# Altium PCB Main_PCB.PcbDoc (part 1 of 2) (continued)
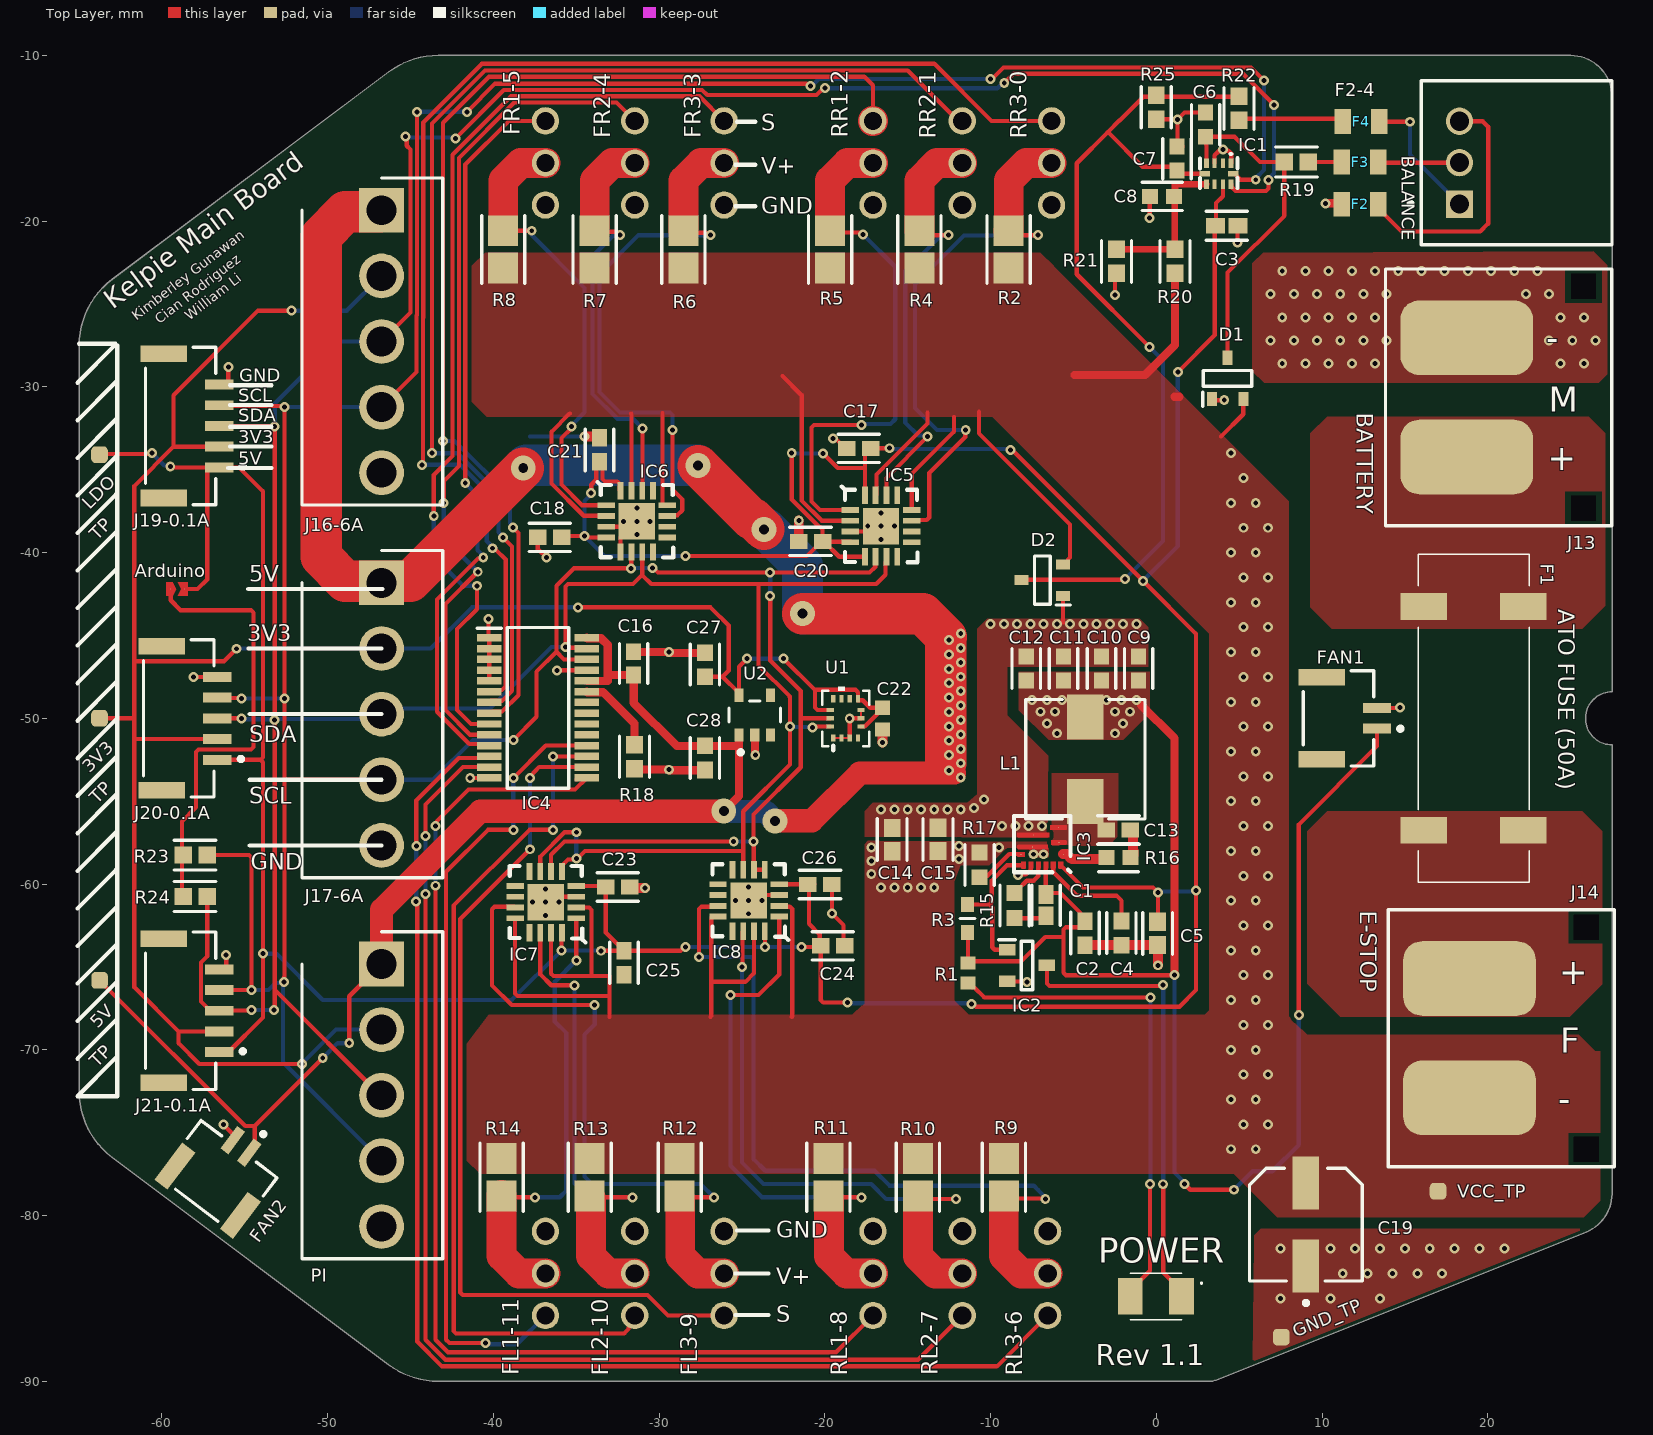
[diagram p0: Top Layer view]
## Footprints (in the part's own frame and the unit in brackets; to place one, negate y for a bottom-side part, rotate by r counter-clockwise, add the part's x,y. Pads: shape width x height; smd on the part's side, far side on the other; paste and mask are expansions set on the pad) (continued)
  Top Layer region: -16.73,-15.94 -16.73,-26.97 57.68,-26.97 59.25,-25.39 59.25,-17.52 57.68,-15.94
  Top Layer region: -49.61,41.54 -38.58,41.54 -38.58,57.68 -40.16,59.25 -48.03,59.25 -49.61,57.68
  Top Layer region: -31.89,41.54 -20.87,41.54 -20.87,57.68 -22.44,59.25 -30.31,59.25 -31.89,57.68
  Top Layer region: -14.17,41.54 -3.15,41.54 -3.15,57.68 -4.72,59.25 -12.6,59.25 -14.17,57.68
  Top Layer region: 3.54,41.54 14.57,41.54 14.57,57.68 12.99,59.25 5.12,59.25 3.54,57.68
  Top Layer region: 21.26,41.54 32.28,41.54 32.28,57.68 30.71,59.25 22.83,59.25 21.26,57.68
  Top Layer region: 38.98,41.54 50,41.54 50,57.68 48.43,59.25 40.55,59.25 38.98,57.68
  Top Layer region: 41.54,30.12 41.54,19.09 57.68,19.09 59.25,20.67 59.25,28.54 57.68,30.12
  Top Layer region: -49.49,30.12 -41.14,21.77 -41.14,19.09 -58.86,19.09 -58.86,30.12
  Top Layer region: -19.49,-44.69 -19.49,-33.66 -57.28,-33.66 -58.86,-35.24 -58.86,-43.11 -57.28,-44.69
  Top Layer region: -55.91,1.77 -58.66,-0.98 -58.66,-6.5 -55.91,-9.25 -21.26,-9.25 -21.26,1.77
  silkscreen extent -880,-1525 67,67, body extent -59,-59 59,59, height 20
SHDR5W114P0X396_1X5_1974X850X1090P [mm]
  rect 2.7x2.7 hole 1.8: 1(0,0)
  round 2.7 hole 1.8: 2(3.96,0) 3(7.92,0) 4(11.88,0) 5(15.84,0)
  silkscreen extent -1.95,-4.8 17.79,3.7, body extent -1.95,-4.25 17.79,4.25, height 10.9
"SOLDER JUMPER" [mm]
  round 0.025 smd mask+0: 1(-0.4,0.25) 2(-0.4,1.1)
  Top Layer region: 0,1.3 0,0.7 -0.4,0.9 -0.8,0.7 -0.8,1.3
  Top Layer region: 0,0.4 -0.4,0.6 -0.8,0.4 -0.8,0 0,0
SOP65P640X110-28N [mm]
  rect 1.475x0.45 smd: 1(-2.938,4.225) 2(-2.938,3.575) 3(-2.938,2.925) 4(-2.938,2.275) 5(-2.938,1.625) 6(-2.938,0.975) 7(-2.938,0.325) 8(-2.938,-0.325) 9(-2.938,-0.975) 10(-2.938,-1.625) 11(-2.938,-2.275) 12(-2.938,-2.925) 13(-2.938,-3.575) 14(-2.938,-4.225) 15(2.938,-4.225) 16(2.938,-3.575) 17(2.938,-2.925) 18(2.938,-2.275) 19(2.938,-1.625) 20(2.938,-0.975) 21(2.938,-0.325) 22(2.938,0.325) 23(2.938,0.975) 24(2.938,1.625) 25(2.938,2.275) 26(2.938,2.925) 27(2.938,3.575) 28(2.938,4.225)
  silkscreen extent -3.67,-4.85 1.85,4.85, body extent -3.2,-4.85 3.2,4.85, height 1.1
SOT95P240X110-3N [mm]
  rect 0.85x0.6 smd: 1(-1.25,0.95) 2(-1.25,-0.95) 3(1.25,0)
  silkscreen extent -1.68,-1.46 0.48,1.5, body extent -1.2,-1.46 1.2,1.46, height 1.1
SOT95P240X120-3N [mm]
  rect 1x0.7 smd: 1(-1.2,0.95) 2(-1.2,-0.95) 3(1.2,0)
  silkscreen extent -1.7,-1.46 0.35,1.55, body extent -1.2,-1.46 1.2,1.46, height 1.2
"Test Point" [mm]
  rrect50% 1x1 / inner rrect60% 0x0 / far side rrect60% 0x0 all layers, no hole: 1(0,0)
WE-HCI_7040 [mm] "SMT Flat Wire High Current Inductor, body 6.9x6.9mm"
  rect 2.2x2.7 smd: 1(0,2.55) 2(0,-2.55)
  silkscreen extent -3.6,-3.6 3.6,3.6, body extent -3.45,-3.5 3.45,3.5, height 4
XT60PT-F [mm]
  rect 1x1 hole 1.5 square: 8(1.15,-6.65) 8(1.15,6.75)
  rrect50% 8x4.5 smd: +(-5.9,3.65) -(-5.9,-3.55)
  silkscreen extent -10.8,-7.7 2.85,7.8, body extent -11.4,-7.95 10.4,7.95, height 9.1
XT60PT-M [mm]
  rect 1x1 hole 1.5 square: 8(1.15,-6.65) 8(1.15,6.75)
  rrect50% 8x4.5 smd: +(-5.9,-3.55) -(-5.9,3.65)
  silkscreen extent -10.8,-7.7 2.85,7.8, body extent -11.23,-7.92 11.57,7.98, height 8.44

## Part data
BALANCE: library part CMP-1755-00006-1, "Male Header, Pitch 2.5 mm, 1 x 3 Position, Height 6.1 mm, Tail Length 3.4 mm, -25 to 85 degC, RoHS, Bulk", Case\Package=DIP, Frequency="1.8 MHz", Max Operating Temperature="70 degC", Max Ouput Current="-10 mA", Max Power Dissipation="1 W", Max Supply Voltage="15 V", Min Operating Temperature="0 degC", Min Supply Voltage="1 V", Nominal Supply Current="170 uA", Package Quantity=50, Channels=1, ComponentLink1Description="Manufacturer URL", ComponentLink1URL=http://www.jst.com/home2.html, ComponentLink2Description=Datasheet, ComponentLink2URL=http://www.jst-mfg.com/product/pdf/eng/eXH.pdf, DatasheetVersion=May-16, Height="4.57 mm", Length="9.81 mm", Mount="Through Hole", PackageDescription="Male Header, Pitch 2.5 mm, 1 x 3 Position, Height 6.1 mm, Tail Length 3.4 mm", PackageReference=S3B-XH-A(LF)(SN), Packaging=Rail/Tube, Pins=8, Radiation Hardening=No, REACH SVHC="No SVHC", RoHSCompliant=true, Weight="0.015535 oz", Width="6.35 mm"
C1: library part CMP-08246-005843-1, "Multilayer Ceramic Capacitors 10pF ±0.5pF 50V C0G SMD 0603", Case Code (Imperial)=0603, Case Code (Metric)=1608, Dielectric=C0G, Dielectric Material=Ceramic, Max Operating Temperature=125°C, Min Operating Temperature=-55°C, Package Quantity=1, Temperature Coefficient=30ppm/°C, Tolerance=5%, Voltage=50V, Capacitance=10pF, Case/Package=0603, Construction=Flat, Depth=0.8mm, Height=0.8mm, Lead Free="Lead Free", Length=1.6mm, Mount="Surface Mount", Number of Pins=2, Packaging="Tape and Reel", Radiation Hardening=No, REACH SVHC="No SVHC", RoHS Compliant=Yes, Series=C, Termination=SMD/SMT, Thickness=0.037inch, Voltage Rating=50V, Voltage Rating (DC)=50V, Weight=7.1E-05oz, Width=0.031inch
C2 C13 C17 C18 C20 C21 C23 C24 C25 C26: library part CMP-06035-047895-1, "Cap Ceramic 0.1uF 100V X7R 10% Pad SMD 0603 Soft Termination +125°C Automotive T/R", Capacitance=100nF, Case Code (Imperial)=0603, Case Code (Metric)=1608, Max Operating Temperature=125°C, Min Operating Temperature=-55°C, Ratings=AEC-Q200, Tolerance=10%, Voltage Rating=100V, Case/Package=0603, Features="Soft Termination", Lead Free="Lead Free", Length=0.063inch, Mount="Surface Mount", Packaging="Tape and Reel", Thickness=0.035inch, Width=0.031inch
C3: library part CMP-2006-03300-2, "CAP CER 0.1UF 50V X7R 0603", Capacitance=100nF, Manufacturer=Kemet, Manufacturer Part Number=C0603X104K5RACTU, Package=C0603-CJ, Temperature="-55°C to +125°C", Temperature Characteristic=X7R, Temperature Coefficient=15%, Temperature Range High=+125°C, Temperature Range Low=-55°C, Tolerance=10%, Voltage=50V, Automotive=No, Category=Cap, ComponentLink2Description=Datasheet, ComponentLink2URL=https://content.kemet.com/datasheets/KEM_C1013_X7R_FT-CAP_SMD.pdf, Device Class L1="Passive Components", Device Class L2=Capacitors, Device Class L3="Ceramic Capacitors", Digikey Description="CAP CER 0.1UF 50V X7R 0603", Height=0.95mm, Ipc Land Pattern Name=CAPC16080X80, Lead Free=Yes, Material=Ceramic, Mouser Description="Capacitor; Ceramic; Cap 0.1uF; Tol+10%; SMT; Flexible Termination; Vol-Rtg 50V; TR", Octopart=https://octopart.com/c0603x104k5ractu-kemet-9145062, RoHS=TRUE, Voltage Rating=50V
C4 C27 C28: library part CMP-2006-04559-3, "General Purpose Ceramic Capacitor, 0603, 1uF, 10%, X5R, 15%, 10V", Case Code (Imperial)=0603, Case Code (Metric)=1608, Dielectric=X5R, Insulation Resistance=100GR, Max Operating Temperature=85°C, Min Operating Temperature=-55°C, Package Quantity=4000, Tolerance=10%, Voltage=10V, Capacitance=1uF, Case/Package=0603, Construction=Flat, Contact Plating=Tin, Depth=0.81mm, Dissipation Factor=5%, Height=0.9mm, Lead Free="Lead Free", Length=1.6mm, Mount="Surface Mount", Number of Pins=2, Packaging="Tape and Reel", Radiation Hardening=No, REACH SVHC="No SVHC", RoHS Compliant=Yes, Series=-, Termination=SMD/SMT, Thickness=0.035inch, Voltage Rating=10V, Voltage Rating (DC)=10V, Width=0.81mm
C5: library part CMP-2006-02545-2, "Chip Multilayer Ceramic Capacitors for General Purpose, 0603, 4.7uF, X5R, 15%, 10%, 35V", Case Code (Imperial)=0603, Case Code (Metric)=1608, Dielectric=X5R, Max Operating Temperature=85°C, Min Operating Temperature=-55°C, Package Quantity=4000, Resistor Type=Ceramic, Tolerance=10%, Voltage=35V, Capacitance=4.7uF, Case/Package=0603, Depth=0.8mm, Height=0.8mm, Lead Free="Lead Free", Length=1.6mm, Material=Ceramic, Mount="Surface Mount", Packaging="Tape and Reel", REACH SVHC="No SVHC", Termination=SMD/SMT, Thickness=0.031inch, Voltage Rating=35V, Voltage Rating (DC)=35V, Weight=0.000222oz, Width=0.8mm
C6 C7 C8: library part CMP-2006-02860-2, "Chip Multilayer Ceramic Capacitors for General Purpose, 0603, 0.47uF, X7R, 15%, 10%, 16V", Capacitance=470nF, Case Code (Imperial)=0603, Case Code (Metric)=1608, Dielectric=X7R, Max Operating Temperature=125°C, Min Operating Temperature=-55°C, Package Quantity=1, Tolerance=10%, Voltage=16V, Case/Package=0603, Depth=0.8mm, Height=0.8mm, Lead Free="Lead Free", Length=1.6mm, Material=Ceramic, Mount="Surface Mount", Number of Pins=2, Packaging="Tape and Reel", REACH SVHC="No SVHC", Termination=SMD/SMT, Thickness=0.035inch, Voltage Rating=16V, Voltage Rating (DC)=16V, Width=0.8mm
C9 C10 C11 C12: library part CMP-13271-003290-1, "Cap Ceramic 22uF 10V X5R ±20% Pad SMD 0603 +85°C T/R", Case Code (Imperial)=0603, Case Code (Metric)=1608, Max Operating Temperature=85°C, Min Operating Temperature=-55°C, Tolerance=20%, Voltage Rating=10V, Capacitance=22uF, Case/Package=0603, Length=0.063inch, Mount="Surface Mount", Packaging="Tape and Reel", Thickness=0.037inch, Width=0.031inch
C14 C15: library part CMP-06035-045268-1, "Chip Multilayer Ceramic Capacitors for General Purpose, 0603, 10uF, X5R, 15%, 10%, 25V", Case/Package=0603
C16: library part CMP-2006-02792-2, "Chip Multilayer Ceramic Capacitors for General Purpose, 0603, 10uF, X5R, 15%, 20%, 6.3V", Case Code (Imperial)=0603, Case Code (Metric)=1608, Dielectric=X5R, Max Operating Temperature=85°C, Min Operating Temperature=-55°C, Package Quantity=4000, Tolerance=20%, Voltage=6.3V, Capacitance=10uF, Case/Package=0603, Depth=0.8mm, Height=0.8mm, Lead Free="Lead Free", Length=1.6mm, Material=Ceramic, Mount="Surface Mount", Packaging="Tape and Reel", Radiation Hardening=No, REACH SVHC="No SVHC", Termination=SMD/SMT, Thickness=0.035inch, Voltage Rating=6.3V, Voltage Rating (DC)=6.3V, Width=0.031inch
C19: library part CMP-2000-06207-2, "CAP ALUM 10UF 20% 50V SMD", Case/Package=Radial, ESR (Equivalent Series Resistance)=880mR, Leakage Current=3uA, Max Operating Temperature=105°C, Min Operating Temperature=-55°C, Package Quantity=1000, Ripple Current=165mA, Tolerance=20%, Voltage=50V, Capacitance=10uF, Construction=Cylindrical, Contact Plating=Tin, Diameter=6.3mm, Height=5.8mm, Height - Seated (Max)=0.24inch, Impedance=880mR, Lead Diameter=0.65mm, Lead Free="Lead Free", Lead Pitch=1.8mm, Length=5.8mm, Life (Hours)=2000Hour, Mount="Surface Mount", Number of Pins=2, Packaging="Tape and Reel", Polarity=Polar, Radiation Hardening=No, REACH SVHC="No SVHC", Ripple Current (AC)=165mA, RoHS Compliant=Yes, Series=FK, Size=5.8mm, Termination=SMD/SMT, Voltage Rating=50V, Voltage Rating (DC)=50V, Width=7.8mm
C22: library part CMP-2006-04541-1, Manufacturer="AVX Interconnect / Elco", Part Number=0603YG104ZAT2A
D1 D2: "Schottky Diode", Manufacturer_Name=PANJIT, Mouser Part Number=241-BAT54S_R1_00001, Datasheet Link=https://www.mouser.tw/datasheet/2/1057/BAT54_SERIES-1868754.pdf, Height=1.1mm, Manufacturer_Part_Number=BAT54S_R1_00001, Mouser Price/Stock=https://www.mouser.co.uk/ProductDetail/Panjit/BAT54S_R1_00001?qs=sPbYRqrBIVkGy01tP2E0cg%3D%3D
F1: "Undefined or Miscellaneous", Manufacturer_Name="Keystone Electronics", Mouser Part Number=534-3587TR, Datasheet Link=http://www.farnell.com/datasheets/1808776.pdf?_ga=2.103221312.1702246963.1549295119-2039790547.1549295119, Height=7.4mm, Manufacturer_Part_Number=3587TR, Mouser Price/Stock=https://www.mouser.co.uk/ProductDetail/Keystone-Electronics/3587TR?qs=BMR1h6ig6pDMLAvCoDyZvg%3D%3D
F2 F3 F4: library part 0805L002YR
FAN1 FAN2: library part CMP-2000-05957-2, "CONN HEADER SMD 2POS 1.25MM", Color=Natural, Connector Type="Outer Shroud Contact", Contact Plating=Tin, Fastening Type=Ramp, Lead Free="Lead Free", Mount="Surface Mount", Number of Positions=2, Number of Rows=1, Packaging="Tape and Reel", Pitch=0.049inch, Termination=Solder
FL1-11 FL2-10 FL3-9 FR1-5 FR2-4 FR3-3 RL1-8 RL2-7 RL3-6 RR1-2 RR2-1 RR3-0: "Connector", Arrow Part Number=TSW-106-07-L-T, Manufacturer_Name=SAMTEC, Mouser Part Number=200-TSW10607LT, Arrow Price/Stock=https://www.arrow.com/en/products/tsw-106-07-l-t/samtec, Datasheet Link=http://suddendocs.samtec.com/catalog_english/tsw_th.pdf, Height=8.38mm, Manufacturer_Part_Number=TSW-106-07-L-T, Mouser Price/Stock=https://www.mouser.co.uk/ProductDetail/Samtec/TSW-106-07-L-T?qs=rU5fayqh%252BE39iyDwG6o8Cg%3D%3D
IC1: "Integrated Circuit", Manufacturer_Name="Texas Instruments", Mouser Part Number=595-TLA2024IRUGT, Arrow Part Number=TLA2024IRUGT, Arrow Price/Stock=https://www.arrow.com/en/products/tla2024irugt/texas-instruments?region=nac, Datasheet Link=http://www.ti.com/lit/ds/sbas846/sbas846.pdf, Height=0.4mm, Manufacturer_Part_Number=TLA2024IRUGT, Mouser Price/Stock=https://www.mouser.co.uk/ProductDetail/Texas-Instruments/TLA2024IRUGT?qs=chTDxNqvsylxt6cbA39OGw%3D%3D
IC2: "Integrated Circuit", Manufacturer_Name=Diotec, Mouser Part Number=637-MMBT3904, Arrow Part Number=MMBT3904, Arrow Price/Stock=https://www.arrow.com/en/products/mmbt3904/diotec-semiconductor-ag?region=europe, Datasheet Link=https://media.digikey.com/pdf/Data%20Sheets/ON%20Semiconductor%20PDFs/2N3904,MMBT3904,PZT3904.pdf, Height=1.2mm, Manufacturer_Part_Number=MMBT3904, Mouser Price/Stock=https://www.mouser.co.uk/ProductDetail/Diotec-Semiconductor/MMBT3904?qs=OlC7AqGiEDkK1MwiyUU6mg%3D%3D
IC3: "5V 8A REG with LDO"
IC4: "Integrated Circuit", Manufacturer_Name=NXP, Mouser Part Number=771-PCA9685PW,112, Arrow Part Number=PCA9685PW,112, Arrow Price/Stock=https://www.arrow.com/en/products/pca9685pw112/nxp-semiconductors?region=nac, Datasheet Link=http://www.nxp.com/docs/en/data-sheet/PCA9685.pdf, Height=1.1mm, Manufacturer_Part_Number=PCA9685PW,112, Mouser Price/Stock=https://www.mouser.co.uk/ProductDetail/NXP-Semiconductors/PCA9685PW112?qs=6YAT8rHPFU9wZqiAeiOMZw%3D%3D
IC5 IC6 IC7 IC8: "Integrated Circuit", Manufacturer_Name="Texas Instruments", Mouser Part Number=595-INA3221AIRGVR, Arrow Part Number=INA3221AIRGVR, Arrow Price/Stock=https://www.arrow.com/en/products/ina3221airgvr/texas-instruments?region=nac, Datasheet Link=http://www.ti.com/lit/ds/symlink/ina3221.pdf, Height=1mm, Manufacturer_Part_Number=INA3221AIRGVR, Mouser Price/Stock=https://www.mouser.co.uk/ProductDetail/Texas-Instruments/INA3221AIRGVR?qs=3AcK5DacLboHys8907TVUQ%3D%3D
J13: "Male SMT XT60 Connector"
J14: "Female SMT XT60 Connector"
J16-6A J17-6A PI: library part _D__B5P-VH-BK__LF__SN_, "Connector", Manufacturer_Name="JST (JAPAN SOLDERLESS TERMINALS)", Manufacturer_Part_Number="(D) B5P-VH-BK (LF)(SN)", Mouser Part Number=N/A, Datasheet Link=https://www.jst-mfg.com/product/pdf/eng/eVH.pdf, Height=10.9mm, Mouser Price/Stock=https://www.mouser.co.uk/ProductDetail/JST/D-B5P-VH-BK-LFSN?qs=wnTfsH77Xs6D1q6ZybO7cA%3D%3D
J19-0.1A J20-0.1A J21-0.1A: library part CMP-17439-000046-1, "CONN HEADER SMD 5POS 1.25MM", Color=Natural, Connector Type="Outer Shroud Contact", Contact Plating=Tin, Fastening Type=Ramp, Lead Free="Lead Free", Mount="Surface Mount", Number of Pins=5, Number of Positions=5, Number of Rows=1, Packaging="Cut Tape", Pitch=0.049inch, Termination=Solder
L1: library part CMP-0226-00067-2, Ambient Temperature Range High=100°C, Ambient Temperature Range Low=-40°C, Case/Package=Nonstandard, Current Rating=15A, DC Resistance (DCR)=4.6mΩ, Inductance=1µH, Inductance Tolerance=20%, Max Operating Temperature=150°C, Saturation Current=19A, Self Resonant Frequency=85MHz, Series Resistance=4.6Ω, Test Frequency=100kHz, Composition=Wirewound, Height=3.8mm, Height - Seated (Max)=3.9878mm, Length=7mm, Max DC Current=15A, Min Operating Temperature=-40°C, Mount="Surface Mount", NexarPartId=20056790, Number of Pins=2, Packaging=Digi-Reel®, REACH SVHC=Unknown, RMS Current (Irms)=15A, RoHS=Compliant, Shielding=Shielded, Termination=SMD/SMT, Tolerance=20%, Width=6.9mm
POWER: "LED", Arrow Part Number=AA3528VRVFS/A, Manufacturer_Name=Kingbright, Mouser Part Number=604-AA3528VRVFS/A, Arrow Price/Stock=https://www.arrow.com/en/products/aa3528vrvfsa/kingbright?region=nac, Datasheet Link=https://mouser.componentsearchengine.com/Datasheets/1/AA3528VRVFS_A.pdf, Height=2.1mm, Manufacturer_Part_Number=AA3528VRVFS/A, Mouser Price/Stock=https://www.mouser.co.uk/ProductDetail/Kingbright/AA3528VRVFS-A?qs=rY7msk5yxfb63mh907EyRA%3D%3D
R1: library part CMP-2000-00025-1, Manufacturer=Panasonic, Part Number=ERA3AEB301V
R2 R4 R5 R6 R7 R8 R9 R10 R11 R12 R13 R14: library part CMP-2003-00786-2, "RES 0.01 OHM 1% 1W 1206", Case Code (Imperial)=1206, Case Code (Metric)=3216, Max Operating Temperature=125°C, Max Power Dissipation=1W, Min Operating Temperature=-55°C, Resistance=10mR, Resistor Type="Thick Film", Temperature Coefficient=75ppm/°C, Tolerance=1%, Case/Package=1206, Depth=1.6mm, Features="Automotive AEC-Q200", Height=0.03inch, Lead Free="Lead Free", Length=3.2mm, Military Standard=Not, Mount="Surface Mount", Number of Terminations=2, Packaging="Cut Tape", Power Rating=1W, REACH SVHC="No SVHC", Termination=Flat, Width=0.063inch
R3: library part CMP-1659-00040-2, Case Code (Imperial)=0603, Case Code (Metric)=1608, Max Operating Temperature=155°C, Max Power Dissipation=100mW, Min Operating Temperature=-55°C, Resistance=8.2kΩ, Temperature Coefficient=100ppm/°C, Tolerance=1%, Voltage Rating=50V, Case/Package=0603, Composition="Thick Film", Depth=800µm, Features="Moisture Resistant", Height=450µm, Lead Free="Lead Free", Lead Pitch=300µm, Length=1.6mm, Military Standard=Not, NexarPartId=40301092, Number of Pins=2, Number of Terminations=2, Packaging="Tape & Reel", Power Rating=100mW, REACH SVHC="No SVHC", RoHS=Compliant, Schedule B="8533210045, 8533210045", Termination=SMD/SMT, Voltage Rating (AC)=50V, Voltage Rating (DC)=50V, Width=800µm
R15 R17: library part CMP-2000-00703-2, "RES SMD 1K OHM 5% 1/10W 0603", Manufacturer=Panasonic, Manufacturer Part Number=ERJ-3GEYJ102V, Package=ERJ3G, Power Rating=0.1W, Resistance=1000Ω, Temperature="-55°C to +155°C", Temperature Coefficient=200ppm/°C, Temperature Range High=+155°C, Temperature Range Low=-55°C, Tolerance=5%, Voltage="75 V", Voltage Rating=75V, Automotive=Yes, Automotive Grade="Grade 0", Category=Res, ComponentLink2Description=Datasheet, ComponentLink2URL=https://industrial.panasonic.com/cdbs/www-data/pdf/RDA0000/AOA0000C301.pdf, Composition="Thick Film", Device Class L1="Passive Components", Device Class L2=Resistors, Device Class L3="Chip SMD Resistors", Digikey Description="RES SMD 1K OHM 5% 1/10W 0603", Footprint Url=https://industrial.panasonic.com/cdbs/www-data/pdf/RDA0000/DMA0000COL17.pdf, Height=0.55mm, Ipc Land Pattern Name=RESC16080X45, Lead Free=Yes, Mounting Type="surface mount", Mouser Description="Res Thick Film 0603 1K Ohm 5% 1/10W ±200ppm/°C Molded SMD Punched Carrier T/R", Octopart=https://octopart.com/erj-3geyj102v-panasonic-55403670, RoHS=TRUE, Series=ERJ
R16: library part CMP-1012-00284-2, "Thick Film Chip Resistors 0603 10Ω 0.1W 1% 100ppm/°C", Case Code (Imperial)=0603, Case Code (Metric)=1608, Max Operating Temperature=155°C, Max Power Dissipation=100mW, Min Operating Temperature=-55°C, Package Quantity=1, Resistance=10R, Temperature Coefficient=100ppm/°C, Tolerance=1%, Voltage Rating=50V, Case/Package=0603, Composition="Thick Film", Contact Plating=Tin, Depth=0.8mm, Features="Moisture Resistant", Height=0.45mm, Length=1.6mm, Military Standard=Not, Mount="Surface Mount", Number of Pins=2, Number of Terminations=2, Packaging="Tape and Reel", Power Rating=100mW, Radiation Hardening=No, REACH SVHC="No SVHC", Termination=SMD/SMT, Thickness=457um, Voltage Rating (DC)=50V, Width=0.8mm
R18 R19 R20 R21 R22 R23 R24 R25: library part CMP-2000-00874-2, "RES SMD 10K OHM 0.1% 1/10W 0603", Case Code (Imperial)=0603, Case Code (Metric)=1608, Max Operating Temperature=155°C, Max Power Dissipation=100mW, Min Operating Temperature=-55°C, Package Quantity=5000, Resistance=10kR, Resistance Tolerance=0.1%, Resistor Type="Thin Film", Temperature Coefficient=25ppm/°C, Voltage Rating=75V, Case/Package=0603, Construction=Rectangular, Contact Plating=Tin, Depth=0.8mm, Height=0.45mm, Lead Free="Lead Free", Length=1.6mm, Military Standard=Not, Mount="Surface Mount", Number of Pins=2, Number of Terminations=2, Packaging="Tape and Reel", Power Rating=100mW, Radiation Hardening=No, REACH SVHC="No SVHC", RoHS Compliant=Yes, Series=ERA-3A, Size Code=0603, Technology="METAL FILM", Termination=SMD/SMT, Tolerance=0.1%, Voltage Rating (DC)=75V, Width=0.8mm
U1: "No Description Available", Mfr_Name=STMicroelectronics, RefDes=RefDes, Type=Type
U2: library part CMP-12756-000029-1, "LDO CMOS LOWCURR SOT25"

## Via types
v1: diameter 0.6, hole 0.3, Top Layer to Bottom Layer, tented both sides, 361 vias
v2: diameter 1.5, hole 0.6, Top Layer to Bottom Layer, tented both sides, 6 vias

## Nets (pads, with @x,y where several pads share a name; then routed paths per layer and width w, separated by ;. In a path a pad name is that pad's centre, name@x,y a point inside that pad or via, vN(x,y) a via of type N, cw(c..) or ccw(c..) an arc to the next point about the centre after c; other vN are vias at no path point)
3.3V_OUT: 3V3.1 C22.1 C27.1 J16-6A.2 J17-6A.2 J19-0.1A.2 J20-0.1A.2 J21-0.1A.2 PI.2 U1.5 U1.8 U1.12 U2.5 | length 142.5
  Top Layer w0.254: 3V3.1@-63.771,-49.99 -61.679,-49.99 -61.669,-50 ; J20-0.1A.2@-56.665,-51.25 -61.665,-51.25 -61.669,-51.246 ; J21-0.1A.2@-56.55,-68.895 -59,-68.895 ; J19-0.1A.2@-56.55,-33.605 -59.3,-33.605 ; v1(-55.5,-45.8) -56.253,-46.553 -61.669,-46.553 ; v1(-52.175,-25.4) -54.2,-25.4 -59.3,-30.5 -59.3,-33.605 ; v1(-51.55,-70.85) -57.75,-70.85 -59,-69.6 -59,-68.895 ; v1(-34.9,-43.3) -26.9,-43.3 -25.8,-44.4 -25.8,-47.118 -26.169,-47.486 ; C27.1@-27.239,-47.486 -26.169,-47.486 ; U2.5@-25.18,-48.6 U2.5@-25.18,-48.475 ; v1(-24.7,-46.4) -24.7,-46.403 -25.18,-46.883 U2.5@-25.18,-48.475 ; v1(-22.5,-46.4) -20.6,-48.3 -20.6,-49.351 -20.451,-49.5 U1.12@-19.677,-49.5 ; -20.625,-48.275 -18.149,-48.275 -18,-48.424 -18,-48.908 -17.713,-48.908 -17.26,-49.361 C22.1@-16.536,-49.361 ; U1.5@-17.823,-50.5 -17.596,-50.5 C22.1@-16.484,-49.388 ; C22.1@-16.834,-49.684 -16.834,-49.659 C22.1@-16.536,-49.361 ; C22.1@-16.511,-49.361 C22.1@-16.536,-49.361 ; -61.669,-51.246 -61.669,-66.226 -59,-68.895 ; -61.669,-51.246 -61.669,-50 ; -61.669,-50 -61.669,-46.553 ; -61.669,-46.553 -61.669,-35.974 -59.3,-33.605 ; -26.169,-47.486 U2.5@-25.18,-48.475
  Bottom Layer w0.254: v1(-55.5,-45.8) -55.493,-45.793 -46.758,-45.793 J17-6A.2@-46.75,-45.785 -43.785,-45.785 -41.3,-43.3 v1(-34.9,-43.3) ; v1(-52.175,-25.4) -48.85,-25.4 J16-6A.2@-46.75,-23.3 ; v1(-51.55,-70.85) -51.55,-70.825 -49.505,-68.78 PI.2@-46.75,-68.78 ; v1(-24.7,-46.4) v1(-22.5,-46.4)
"5V LDO": Arduino.2 C3.2 C5.2 C17.2 C18.2 C20.2 C21.2 C23.2 C24.2 C25.2 C26.2 IC1.8 IC3.12 IC5.4 IC5.5 IC5.16 IC6.4 IC6.16 IC7.4 IC7.16 IC8.4 IC8.16 J19-0.1A.1 J20-0.1A.1 J21-0.1A.1 LDO.1 | length 261.1
  Top Layer w0.254: LDO.1@-63.771,-34.085 -63.728,-34.042 -60.643,-34.042 v1(-60.6,-34) ; v1(-59.5,-34.8) -59.445,-34.855 J19-0.1A.1@-57.095,-34.855 ; -58.629,-42.2 -57.85,-42.2 -57.268,-41.618 -57.268,-35.028 J19-0.1A.1@-57.095,-34.855 ; J20-0.1A.1@-56.665,-52.5 -54.049,-52.5 ; J21-0.1A.1@-56.55,-70.145 -56,-70.145 -53.9,-68.045 v1(-53.9,-64.2) -53.9,-52.649 -54.049,-52.5 ; C18.2@-36.075,-39.088 -35.987,-39 v1(-34.5,-39) ; v1(-35.9,-64) -35.885,-63.985 -35.885,-62.955 IC7.16@-35.87,-62.94 ; IC7.4@-34.995,-60.115 -33.285,-60.115 C23.2@-33.225,-60.175 -33.225,-62.924 C25.2@-32.125,-64.025 -28.718,-64.025 -28.494,-63.8 v1(-28.4,-63.8) ; v1@-34.549,-39.088 IC6.4@-33.201,-39.088 ; v1(-34.1,-36.4) -34.1,-35.9 -33.8,-35.6 -33.8,-34.725 C21.2@-33.6,-34.525 ; v1(-33.521,-64.025) -32.325,-64.025 C25.2@-32.1,-63.8 ; C21.2@-33.41,-34.545 -33.41,-35.551 -33.261,-35.7 -32.522,-35.7 -32.374,-35.849 -32.374,-36.215 IC6.16@-32.326,-36.263 ; v1(-28.4,-40.2) -21.089,-40.2 -20.206,-39.317 C20.2@-20.135,-39.317 ; IC8.16@-23.625,-63.19 IC8.16@-23.625,-62.84 -23.612,-62.853 -23.612,-63.788 v1(-23.6,-63.8) ; IC8.4@-22.75,-60.015 -21.025,-60.015 C26.2@-20.62,-60.015 ; v1(-22,-34) -22,-36.795 -20.343,-38.452 -20.283,-38.452 -20.135,-38.601 C20.2@-20.135,-39.317 ; v1(-21.4,-63.8) -20.651,-63.8 -20.596,-63.745 -20.596,-63.672 C24.2@-20.596,-63.8 ; C26.2@-21.025,-60.025 -20.954,-60.025 -20.954,-62.396 -20.313,-63.037 -20.313,-63.662 C24.2@-20.25,-63.725 -20.25,-67.001 -20.102,-67.15 v1(-18.625,-67.15) ; v1(-20.1,-34.023) -19.223,-34.9 -17.587,-34.9 ; C20.2@-20.004,-39.347 IC5.4@-18.462,-39.347 ; IC5.5@-17.587,-40.246 -19.134,-40.246 -20.063,-39.317 C20.2@-20.135,-39.317 ; IC5.16@-17.587,-36.546 -17.587,-34.9 ; v1(-16.1,-33.7) -17.225,-33.7 C17.2@-17.235,-33.71 -17.258,-33.71 -17.587,-34.039 -17.587,-34.9 ; v1(-11.15,-67.225) -11.056,-67.225 -10.881,-67.4 1.4,-67.4 2.4,-66.4 v1(2.4,-60.4) 2.4,-44.9 v1(-0.8,-41.7) -8.527,-33.973 -8.533,-33.973 -8.706,-33.8 v1(-8.8,-33.8) ; -5.771,-58.844 -4.415,-60.2 -0.2,-60.2 v1(0.1,-60.5) 0.1,-62.349 C5.2@0.076,-62.373 ; v1(1.3,-29.1) 3.524,-26.876 3.524,-20.025 3.608,-19.941 3.608,-18.903 4.02,-18.491 IC1.8@4.02,-17.78 ; J19-0.1A.1@-57.095,-34.855 J19-0.1A.1@-56.55,-34.855 -55.345,-34.855 -53.9,-36.3 -53.9,-52.351 -54.049,-52.5
  Bottom Layer w0.254: v1(-60.6,-34) -59.866,-34.734 -59.566,-34.734 v1(-59.5,-34.8) ; v1(-53.9,-64.2) -53.1,-64.2 -50.3,-67 -38.9,-67 v1(-35.9,-64) -35.888,-64.012 -33.534,-64.012 v1(-33.521,-64.025) ; v1(-34.1,-36.4) -34.1,-36.494 -34.5,-36.894 v1(-34.5,-39) -33.3,-40.2 v1(-28.4,-40.2) ; v1(-28.4,-63.8) v1(-21.4,-63.8) ; v1(-22,-34) -21.989,-34.011 -20.112,-34.011 v1(-20.1,-34.023) ; v1(-18.625,-67.15) -18.588,-67.187 -11.188,-67.187 v1(-11.15,-67.225) ; v1(-16.1,-33.7) -16.046,-33.754 -8.846,-33.754 v1(-8.8,-33.8) ; v1(-0.8,-41.7) 1.3,-39.6 v1(1.3,-29.1) ; v1(0.1,-60.5) 0.15,-60.45 2.35,-60.45 v1(2.4,-60.4)
5V_OUT: 5V.1 C1.2 C2.1 C9.2 C10.2 C11.2 C12.2 C16.1 C28.1 FAN1.1 FAN2.1 IC3.10 IC4.24 IC4.28 J16-6A.1 J17-6A.1 L1.1 PI.1 R1.2 R3.2 U2.1 | length 257.4
  Top Layer w0.254: 5V.1@-63.768,-65.812 -54.98,-74.6 -54.4,-74.6 ; FAN2.1@-54.731,-76.206 -54.4,-75.875 -54.4,-74.6 ; v1(-50.3,-70.5) -54.4,-74.6 ; v1(-48.7,-69.6) -48.7,-66.77 PI.1@-46.75,-64.82 ; R3.2@-11.365,-63.081 -11.365,-64.663 -8.163,-64.663 -6.7,-63.2 -5.6,-63.2 ; -6.671,-58.844 -6.671,-60.512 -6.65,-60.533 -5.777,-60.533 -4.298,-62.012 -4.298,-62.221 -4.677,-62.6 -5.451,-62.6 -5.6,-62.749 -5.6,-63.2 ; C9.2@-1.007,-47.918 C9.2@-1.007,-47.895 ; v1(1.1,-65.5) -5.451,-65.5 -5.6,-65.351 -5.6,-63.2 ; v1(1.7,-78.1) 2.046,-78.446 v1(4.69,-78.446) ; v1(8.6,-67.9) 8.6,-56.399 13.325,-51.674 FAN1.1@13.325,-50.625
  Top Layer w0.5: IC4.24@-34.371,-47.741 -33.1,-47.741 ; IC4.28@-34.371,-45.141 -34.346,-45.166 -33.5,-45.166 -33.1,-45.566 -33.1,-47.3 ; -33.1,-47.7 -33.1,-47.3 ; v2(-26.1,-55.6) -25.18,-54.68 U2.1@-25.18,-51 ; -25.473,-51.663 C28.1@-27.239,-51.663 -28.937,-51.663 -31.538,-49.062 C16.1@-31.538,-47.386 -33.014,-47.386 -33.1,-47.3 ; v1@-12.546,-50.499 v1@-12.533,-50.486 ; -0.911,-49.189 1.1,-51.2 v1(1.1,-65.5)
  Top Layer w1.4: PI.1@-46.75,-64.82 -46.75,-61.55 -40.8,-55.6 v2(-26.1,-55.6) ; v2(-23,-56.2) -22.981,-56.181 -20.781,-56.181 -17.9,-53.3 -12.174,-53.3
  Top Layer w2.5: J16-6A.1@-46.75,-19.34 -46.85,-19.44 -48.936,-19.44 -50.4,-20.904 -50.4,-40.261 -48.936,-41.725 -46.85,-41.725 J17-6A.1@-46.75,-41.825 -46.65,-41.725 -45.025,-41.725 v2(-38.2,-34.9) ; v2(-27.65,-34.75) -24.45,-37.95 -24.325,-37.95 v2(-23.675,-38.6) ; v2(-21.35,-43.675) -14.105,-43.675 v1@-12.675,-45.105 ; -12.7,-52.7 v1@-12.7,-45.4
  Bottom Layer w0.254: v1(-50.3,-70.5) -49.4,-69.6 v1(-48.7,-69.6) ; v1(1.1,-65.5) 1.1,-77.406 1.7,-78.006 v1(1.7,-78.1) ; v1(4.69,-78.446) 5.806,-77.33 6.996,-77.33 8.6,-75.726 v1(8.6,-67.9)
  Bottom Layer w1.4: v2(-26.1,-55.6) -26.081,-55.619 -23.608,-55.619 -23.027,-56.2 v2(-23,-56.2)
  Bottom Layer w2.5: v2(-38.2,-34.9) -38.023,-34.723 -27.677,-34.723 v2(-27.65,-34.75) ; v2(-23.675,-38.6) -23.528,-38.6 -21.35,-40.778 v2(-21.35,-43.675)
  other v1: -11.8,-53.58 -12.5,-53.15 -11.8,-52.71 -12.5,-52.213 -11.8,-51.84 -12.5,-51.347 -11.8,-50.97 -6,-50.9 -2.5,-50.9 -12.5,-50.48 -6.6,-50.3 -2,-50.3 -11.8,-50.1 -12.5,-49.613 -7,-49.6 -6.1,-49.6 -2.5,-49.6 -1.6,-49.6 -11.8,-49.23 -7.5,-48.9 -6.6,-48.9 -5.7,-48.9 -3,-48.9 -2.1,-48.9 -1.2,-48.9 -12.5,-48.747 -11.8,-48.36 -12.5,-47.88 -11.8,-47.49 -12.5,-47.013 -11.8,-46.62 -12.5,-46.147 -11.8,-45.75 -12.5,-45.28 -11.8,-44.88
ADC_Batt_Cell1: C6.1 D1.3 IC1.4 R19.2 | length 20
  Top Layer w0.254: C6.1@2.966,-15.152 3.02,-15.481 IC1.4@3.02,-16.5 ; C6.1@2.975,-14.902 4.727,-14.902 6.25,-16.425 R19.2@7.724,-16.425 7.724,-19.676 4.299,-23.101 D1.3@4.299,-28.239